# Altium PCB MotherBoard.PcbDoc (part 6 of 10)
Units mm, origin at the board's own origin, x right, y up, seen from the top; angles counter-clockwise.
Board outline 200 x 200 mm, 8 copper layers (Top Layer, Ground, Signal Layer 1, Power, Power 2, Signal Layer 2, Ground 2, Bottom Layer), stack 1.494 mm thick; 819 components, 704 nets, 3400 pads, 2339 vias.
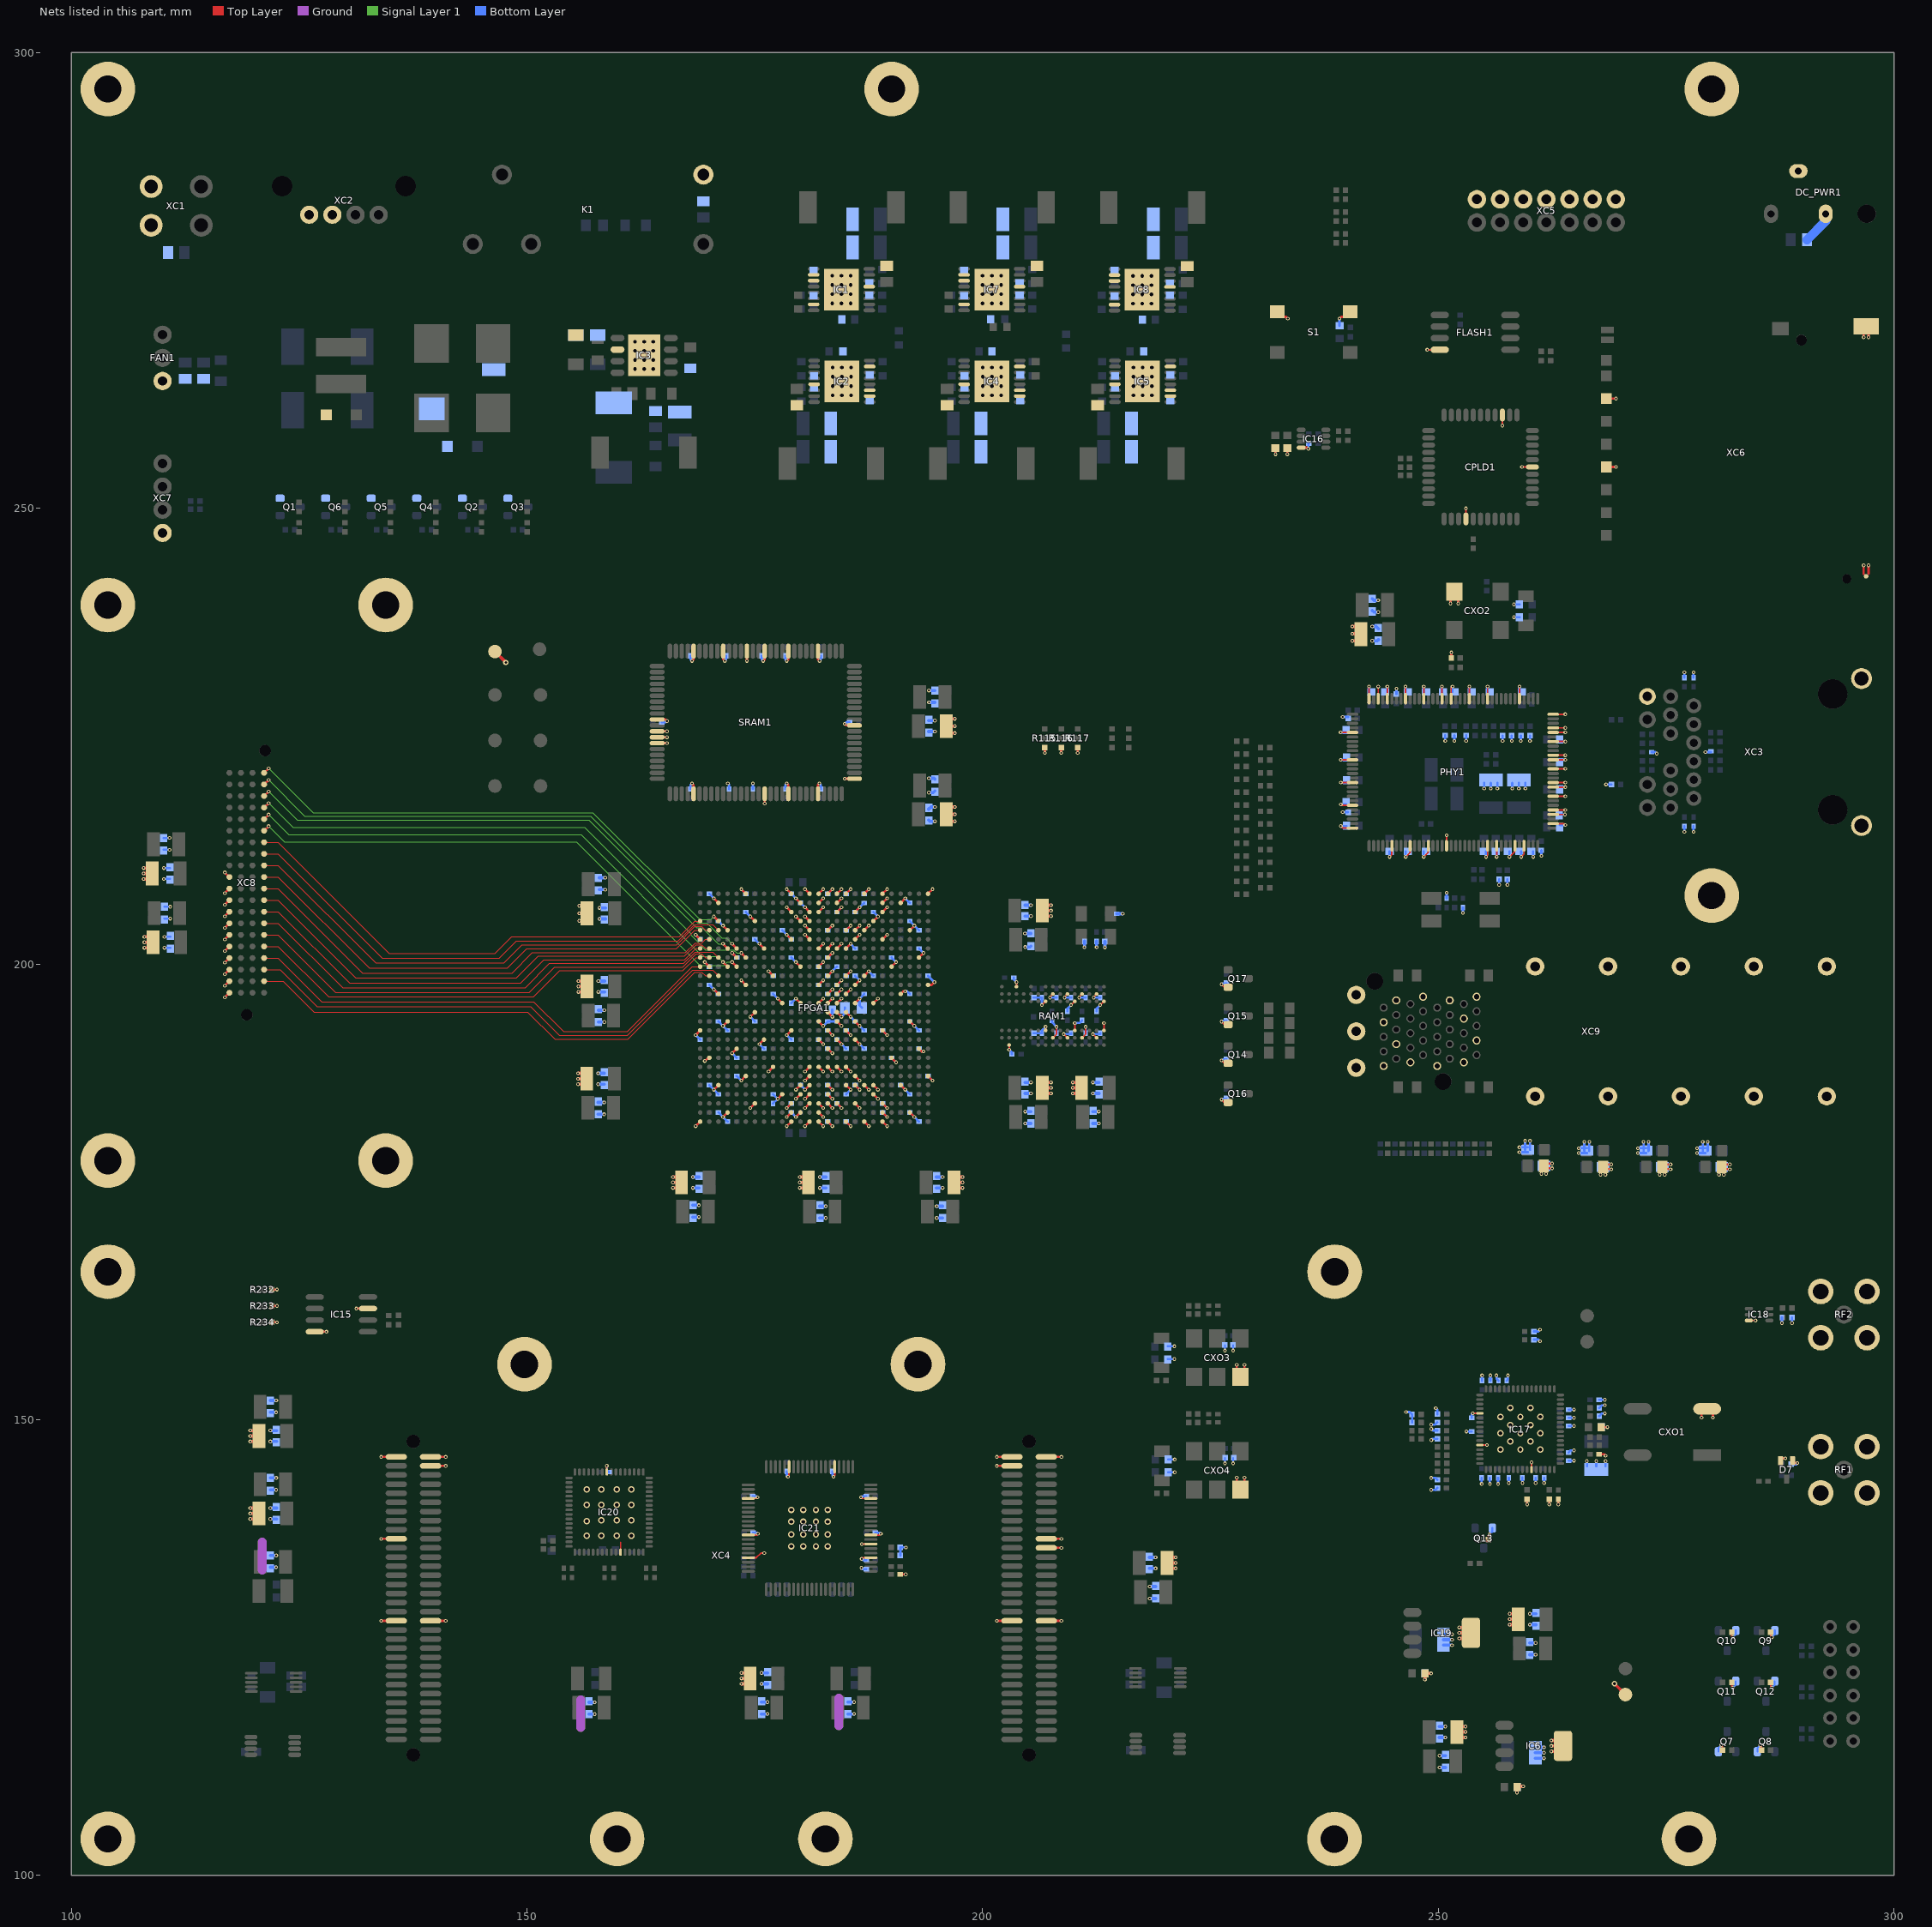
[diagram p12: the nets of this part, all layers, seen from the top]

## Via types
v1: diameter 0.4, hole 0.2, Top Layer to Bottom Layer, tented both sides, 1921 vias
v2: diameter 0.6, hole 0.3, Top Layer to Bottom Layer, tented both sides, 229 vias
v3: diameter 0.7, hole 0.4, Top Layer to Bottom Layer, 128 vias
v4: diameter 0.5, hole 0.2, Top Layer to Bottom Layer, tented both sides, 60 vias
v5: diameter 0.7, hole 0.4, Top Layer to Bottom Layer, tented both sides, 1 vias

## Nets (pads, with @x,y where several pads share a name; then routed paths per layer and width w, separated by ;. In a path a pad name is that pad's centre, name@x,y a point inside that pad or via, vN(x,y) a via of type N, cw(c..) or ccw(c..) an arc to the next point about the centre after c; other vN are vias at no path point) (continued)
GND: C1.1 C2.2 C3.2 C4.2 C5.2 C6.2 C7.2 C8.2 C9.1 C10.2 C11.2 C12.2 C13.2 C14.2 C15.1 C16.1 C17.1 C18.2 C19.2 C20.2 C21.2 C22.2 C23.2 C24.1 C25.2 C26.2 C27.2 C28.2 C29.1 C31.2 C32.2 C33.2 C34.2 C35.1 C36.1 C37.1 C38.1 C39.1 C40.2 C41.2 C42.2 C43.2 C44.2 C45.2 C46.2 C47.2 C48.1 C49.1 C50.2 C51.2 C52.2 C53.2 C54.2 C55.2 C56.2 C57.2 C58.2 C59.2 C60.2 C61.1 C62.1 C63.2 C64.1 C65.2 C66.2 C67.1 C68.2 C69.2 C70.1 C71.1 C72.2 C73.2 C74.2 C75.2 C76.1 C77.2 C78.2 C79.2 C80.2 C81.2 C82.2 C83.2 C84.2 C85.1 C86.1 C87.1 C88.2 C89.2 C90.2 C91.2 C92.1 C93.2 C94.1 C95.2 C96.2 C97.2 C98.2 C99.1 C100.2 C101.2 C102.2 C103.2 C104.2 C105.1 C106.1 C107.1 C108.1 C109.1 C110.2 C111.1 C112.1 C113.2 C114.2 C115.1 C116.1 C117.1 C118.1 C119.1 C120.1 C121.1 C122.1 C123.1 C124.1 C125.1 C126.2 C127.2 C128.1 C129.2 C130.1 C131.1 C132.1 C133.1 C134.1 C135.1 C136.2 C137.1 C138.1 C139.1 C140.1 C141.1 C142.1 C143.1 C144.2 C145.1 C146.1 C147.1 C148.2 C149.2 C150.2 C151.2 C152.1 C153.1 C154.2 C155.2 C156.2 C157.2 C158.2 C159.2 C160.2 C161.2 C162.2 C163.2 C165.2 C166.2 C167.2 C168.2 C169.2 C170.1 C171.2 C172.1 C173.1 C174.2 C175.1 C176.1 C177.1 C178.2 C179.2 C180.2 C181.2 C182.2 C184.2 C186.2 C188.2 C189.1 C190.1 C191.2 C192.2 C193.2 C194.2 C195.2 C196.1 C197.2 C198.2 C199.1 C200.2 C201.2 C202.1 C203.2 C204.2 C205.2 C206.2 C207.2 C208.2 C209.2 C210.2 C211.2 C212.2 C213.2 C214.2 C215.2 C216.2 C217.2 C218.2 C219.2 C220.2 C221.2 C222.2 C223.2 C224.2 C225.2 C226.2 C227.2 C228.2 C229.2 C230.2 C231.2 C240.2 C241.2 C242.2 C243.2 C244.2 C245.2 C246.2 C247.2 C248.2 C249.2 C250.2 C251.2 C252.2 C253.2 C260.1 C261.2 C262.1 C263.1 C264.2 C265.1 C266.2 C267.1 C268.2 C269.1 C270.2 C271.1 C272.2 C273.1 C274.2 C275.1 C276.1 C277.1 C278.2 C279.1 C280.1 C281.1 C283.2 C284.2 C285.2 C286.2 C287.2 C290.2 C295.1 C296.2 C299.1 C300.2 C301.2 C302.1 C303.2 C304.1 C305.2 C306.1 C307.1 C308.1 C309.1 C310.2 C311.1 C312.2 C313.1 C314.2 C315.2 C316.2 C317.2 C318.2 C319.2 C333.1 C342.1 C343.2 C344.2 C345.2 C346.2 C347.1 C348.1 C349.1 C350.1 C351.1 C352.1 C353.1 C354.1 C355.1 C356.1 C357.1 C358.1 C359.1 C360.2 C361.2 C362.2 C363.2 C364.2 C365.2 C366.2 C367.2 C368.2 C369.1 C370.2 C371.1 C372.1 C373.2 C374.2 C375.2 C376.2 C377.2 C378.2 C379.1 C380.1 C381.2 C382.2 C383.2 C384.2 C385.2 C386.1 C387.1 C388.2 C389.1 C390.2 C391.2 C392.1 C393.2 C394.2 C395.2 C396.2 C397.1 C398.2 C399.2 C400.1 C401.2 C402.2 C403.1 C404.1 C405.2 C406.2 C407.2 C408.2 C409.2 C410.2 C415.1 C416.1 C422.1 C423.2 C424.1 C425.2 C426.1 C427.1 C428.2 C429.2 C430.2 C431.1 C432.1 C433.1 C434.1 C435.2 C436.1 C437.1 C438.1 C439.2 CP6.1 CP10.1 CPLD1.4 CPLD1.17 CPLD1.25 CXO1.2 CXO2.2 CXO3.3 CXO4.3 D3.2 D5.2 D6.2 D7.1 D7.2 DC_PWR1.2 DC_PWR1.3 FAN1.1 FLASH1.4 FPGA1.A6 FPGA1.A8 FPGA1.A10 FPGA1.A12 FPGA1.A13 FPGA1.A14 FPGA1.A16 FPGA1.A26 FPGA1.AA6 FPGA1.AA9 FPGA1.AA14 FPGA1.AA16 FPGA1.AA26 FPGA1.AB3 FPGA1.AB8 FPGA1.AB9 FPGA1.AB10 FPGA1.AB12 FPGA1.AB14 FPGA1.AB23 FPGA1.AC7 FPGA1.AC14 FPGA1.AC15 FPGA1.AC20 FPGA1.AD6 FPGA1.AD9 FPGA1.AD11 FPGA1.AD13 FPGA1.AD14 FPGA1.AD16 FPGA1.AE4 FPGA1.AE6 FPGA1.AE11 FPGA1.AE13 FPGA1.AE15 FPGA1.AE24 FPGA1.AF1 FPGA1.AF6 FPGA1.AF8 FPGA1.AF10 FPGA1.AF11 FPGA1.AF12 FPGA1.AF13 FPGA1.AF14 FPGA1.AF16 FPGA1.AF21 FPGA1.B3 FPGA1.B6 FPGA1.B13 FPGA1.B15 FPGA1.B16 FPGA1.B23 FPGA1.C6 FPGA1.C9 FPGA1.C11 FPGA1.C12 FPGA1.C13 FPGA1.C14 FPGA1.C16 FPGA1.C20 FPGA1.D7 FPGA1.D12 FPGA1.D14 FPGA1.D15 FPGA1.D17 FPGA1.E4 FPGA1.E7 FPGA1.E8 FPGA1.E9 FPGA1.E10 FPGA1.E12 FPGA1.E14 FPGA1.E15 FPGA1.E24 FPGA1.F1 FPGA1.F9 FPGA1.F14 FPGA1.F21 FPGA1.G10 FPGA1.G11 FPGA1.G12 FPGA1.G13 FPGA1.G14 FPGA1.G18 FPGA1.H5 FPGA1.H25 FPGA1.J2 FPGA1.J12 FPGA1.J22 FPGA1.K9 FPGA1.K11 FPGA1.K13 FPGA1.K19 FPGA1.L6 FPGA1.L10 FPGA1.L12 FPGA1.L16 FPGA1.L26 FPGA1.M3 FPGA1.M9 FPGA1.M13 FPGA1.M23 FPGA1.N10 FPGA1.N20 FPGA1.P7 FPGA1.P9 FPGA1.P13 FPGA1.P15 FPGA1.P17 FPGA1.R4 FPGA1.R10 FPGA1.R11 FPGA1.R12 FPGA1.R24 FPGA1.T1 FPGA1.T9 FPGA1.T11 FPGA1.T13 FPGA1.T21 FPGA1.U8 FPGA1.U10 FPGA1.U12 FPGA1.U18 FPGA1.V5 FPGA1.V13 FPGA1.V15 FPGA1.V25 FPGA1.W2 FPGA1.W12 FPGA1.W22 FPGA1.Y10 FPGA1.Y11 FPGA1.Y12 FPGA1.Y13 FPGA1.Y19 IC1.10 IC1.15 IC1.17 IC2.10 IC2.15 IC2.17 IC3.6 IC3.9 IC4.10 IC4.15 IC4.17 IC5.10 IC5.15 IC5.17 IC6.5 IC7.10 IC7.15 IC7.17 IC8.10 IC8.15 IC8.17 IC15.4 IC15.7 IC16.4 IC17.0 IC17.37 IC17.44 IC17.59 IC18.3 IC19.5 IC20.0 IC20.11 IC20.41 IC21.0 IC21.4 IC21.7 IC21.9 IC21.17 IC21.25 IC21.35 IC21.44 IC21.52 IC21.57 J1.1 J2.1 J4.1 K1.1 L19.1 M1.0 M2.0 M3.0 M4.0 M5.0 PHY1.5 PHY1.12 PHY1.16 PHY1.20 PHY1.22 PHY1.26 PHY1.30 PHY1.34 PHY1.36 PHY1.38 PHY1.43 PHY1.49 PHY1.54 PHY1.59 PHY1.64 PHY1.70 PHY1.74 PHY1.78 PHY1.82 PHY1.91 PHY1.93 PHY1.97 PHY1.99 PHY1.104 PHY1.106 PHY1.107 PHY1.110 PHY1.112 PHY1.113 PHY1.116 PHY1.118 PHY1.119 PHY1.122 PHY1.124 PHY1.125 PHY1.128 Q1.2 Q2.2 Q3.2 Q4.2 Q5.2 Q6.2 Q7.2 Q8.2 Q9.2 Q10.2 Q11.2 Q12.2 Q13.2 Q14.2 Q15.2 Q16.2 Q17.2 R8.1 R10.2 R12.2 R23.1 R24.1 R26.2 R28.2 R43.2 R45.2 R47.2 R54.1 R55.2 R83.2 R84.2 R89.2 R90.2 R91.1 R92.2 R93.1 R94.1 R95.1 R106.2 R108.1 R109.1 R115.3 R116.3 R117.3 R129.1 R130.2 R138.2 R139.1 R152.2 R153.1 R155.1 R156.1 R158.2 R163.1 R164.1 R165.1 R166.1 R167.1 R168.1 R169.1 R170.1 R172.2 R177.2 R178.2 R211.1 R212.1 R213.1 R214.1 R217.1 R219.1 R221.2 R222.2 R223.2 R224.2 R225.2 R226.2 R227.1 R228.2 R229.2 R230.2 R231.2 R232.3 R233.3 R234.3 R238.2 RAM1.A3 RAM1.A7 RAM1.B2 RAM1.B8 RAM1.D2 RAM1.D8 RAM1.E3 RAM1.E7 RAM1.F2 RAM1.F8 RAM1.H2 RAM1.H8 RAM1.J3 RAM1.J7 RAM1.N1 RAM1.P9 RF1.0 RF2.0 S1.2 SRAM1.5 SRAM1.17 SRAM1.21 SRAM1.26 SRAM1.31 SRAM1.40 SRAM1.55 SRAM1.60 SRAM1.64 SRAM1.67 SRAM1.71 SRAM1.76 SRAM1.90 SRAM1.92 SRAM1.93 SRAM1.94 XC1.1 XC2.3 XC2.4 XC3.0@296.434,215.185 XC3.0@296.434,231.314 XC3.13 XC4.0@104,104 XC4.0@104,166.23 XC4.0@149.72,156.07 XC4.0@159.88,104 XC4.0@182.74,104 XC4.0@192.9,156.07 XC4.0@238.62,166.23 XC4.0@238.595,103.975 XC4.1 XC4.2 XC4.3 XC4.20 XC4.22 XC4.37 XC4.38 XC4.65 XC4.66 XC4.68 XC4.83 XC4.101 XC4.102 XC5.1 XC5.3 XC5.5 XC5.7 XC5.9 XC5.11 XC5.13 XC6.0@296.934,269.962 XC6.0@296.938,242.535 XC6.3 XC6.6 XC7.4 XC8.0@104,178.42 XC8.0@104,239.38 XC8.0@134.48,178.42 XC8.0@134.48,239.38 XC8.70 XC8.71 XC8.72 XC8.73 XC8.74 XC8.75 XC8.76 XC8.77 XC8.78 XC8.79 XC8.80 XC9.0@240.995,188.6 XC9.0@240.995,192.6 XC9.0@240.995,196.6 XC9.0@260.62,185.475 XC9.0@260.62,199.725 XC9.0@268.62,185.475 XC9.0@268.62,199.725 XC9.0@276.62,185.475 XC9.0@276.62,199.725 XC9.0@284.62,185.475 XC9.0@284.62,199.725 XC9.0@292.62,185.475 XC9.0@292.62,199.725 XC9.L1 XC9.L10 XC9.L11 XC9.L14 XC9.L17 XC9.L20 XC9.T1 XC9.T10 XC9.T11 XC9.T14 XC9.T17 XC9.T20 | length 628.4
  Top Layer w0.15: IC20.11@160.25,135.45 160.25,136.55
  Top Layer w0.18: IC20.41@158.75,144.25 v1(158.75,144.925) ; IC21.44@174.235,141.35 175.16,141.35 v1(175.285,141.475) ; IC21.57@174.275,134.865 IC21.57@174.275,134.85 175.15,134.85 175.65,135.35 v1(176.025,135.35) ; IC21.52@174.275,137.35 175.2,137.35 v1(175.325,137.475) ; v1(178.625,143.735) 178.75,143.86 IC21.35@178.75,144.785 ; v1(183.625,143.735) 183.75,143.86 IC21.25@183.75,144.785 ; v1(186.635,141.475) 186.76,141.35 IC21.17@187.685,141.35 ; v1(186.715,134.725) 186.84,134.85 IC21.4@187.765,134.85 ; v1(186.725,136.35) IC21.7@187.725,136.35 ; IC21.9@187.765,137.35 188.69,137.35 v1(188.815,137.475) ; v1(202.9,190.6) RAM1.P9@202.9,191.1 ; RAM1.N1@203.7,197.5 v1(203.7,198) ; v1(206.5,195.5) RAM1.J3@206.9,195.9 ; RAM1.J7@206.9,192.7 v1(206.9,193.1) ; v1(207.393,196.307) 207.393,196.393 RAM1.H2@207.7,196.7 ; RAM1.H8@207.7,191.9 208.1,192.3 v1(208.1,193.1) ; v1(208.9,192.3) RAM1.F8@209.3,191.9 ; v1(208.993,196.307) 208.993,196.393 RAM1.F2@209.3,196.7 ; v1(209.7,195.5) RAM1.E3@210.1,195.9 ; RAM1.E7@210.1,192.7 v1(210.1,193.5) ; v1(210.593,196.307) 210.593,196.393 RAM1.D2@210.9,196.7 ; RAM1.D8@210.9,191.9 211.3,192.3 v1(211.3,193.1) ; v1(212.1,192.3) RAM1.B8@212.5,191.9 ; v1(212.193,196.307) 212.193,196.398 212.19,196.4 212.495,196.705 RAM1.B2@212.5,196.7 ; v1(212.9,195.5) RAM1.A3@213.3,195.9 ; RAM1.A7@213.3,192.7 v1(213.3,193.5) ; v1(226.195,185.117) 226.512,184.8 Q16.2@226.925,184.8 ; v1(226.195,189.417) 226.512,189.1 Q14.2@226.925,189.1 ; v1(226.195,193.667) 226.512,193.35 Q15.2@226.925,193.35 ; v1(226.195,197.767) 226.512,197.45 Q17.2@226.925,197.45 ; C260.1@233.425,256.625 C260.1@233.45,256.65 ; v1(239.27,225.4) PHY1.43@240.58,225.4 ; v1(239.275,222.4) PHY1.49@240.58,222.4 ; v1(239.3,215.125) 239.525,214.9 PHY1.64@240.58,214.9 ; v1(239.3,217.5) 239.4,217.4 PHY1.59@240.58,217.4 ; v1(239.3,219.9) PHY1.54@240.58,219.9 ; PHY1.38@242.4,229.1 v1(242.4,230.45) ; PHY1.36@243.4,229.1 v1@243.4,230.425 ; PHY1.34@244.4,229.1 v1@244.4,230.425 ; v1(244.65,211.75) 244.9,212 PHY1.70@244.9,212.971 ; PHY1.30@246.4,229.1 v1(246.4,230.45) ; v1(246.425,211.75) 246.9,212.225 PHY1.74@246.9,212.971 ; v1(248.4,211.75) 248.9,212.25 PHY1.78@248.9,212.971 ; PHY1.26@248.4,229.1 v1(248.4,230.45) ; v1(248.775,267.39) FLASH1.4@250.15,267.39 ; PHY1.22@250.4,229.1 v1(250.4,230.45) ; PHY1.82@250.9,212.971 v1(250.9,214.125) ; PHY1.20@251.4,229.1 251.4,230.3 v1(251.55,230.45) ; CPLD1.4@253.025,248.825 v1(253.025,249.979) ; PHY1.16@253.4,229.1 v1(253.4,230.45) ; v1(253.775,150.7) IC17.37@254.55,150.7 ; IC17.44@254.55,147.2 v1(255.325,147.2) ; v1(255.225,211.75) 255.4,211.925 PHY1.91@255.4,212.971 ; PHY1.12@255.4,229.1 v1(255.4,230.45) ; R227.1@255.483,136.831 255.483,137.265 v1(255.608,137.39) ; v1(256.4,211.75) PHY1.93@256.4,212.971 ; v1(257.025,259.071) CPLD1.25@257.025,260.225 ; v1(257.8,211.75) 258.4,212.35 PHY1.97@258.4,212.971 ; PHY1.5@258.9,229.1 v1(258.9,230.45) ; v1(259.1,211.75) 259.4,212.05 PHY1.99@259.4,212.971 ; v1(259.171,254.525) CPLD1.17@260.325,254.525 ; IC17.59@260.225,144.525 v1(260.225,145.3) ; PHY1.104@262.6,215.4 263.775,215.4 v1(263.925,215.25) ; PHY1.106@262.6,216.4 v1(263.9,216.4) ; PHY1.107@262.6,216.9 v1(263.925,216.9) ; PHY1.110@262.6,218.4 v1(263.925,218.4) ; PHY1.112@262.6,219.4 v1(263.925,219.4) ; PHY1.113@262.6,219.9 v1(263.925,219.9) ; PHY1.116@262.6,221.4 v1(263.925,221.4) ; PHY1.118@262.6,222.4 v1(263.925,222.4) ; PHY1.119@262.6,222.9 v1(263.925,222.9) ; PHY1.122@262.6,224.4 v1(263.925,224.4) ; PHY1.124@262.6,225.4 v1(263.925,225.4) ; PHY1.125@262.6,225.9 v1(263.925,225.9) ; PHY1.128@262.6,227.4 v1(263.925,227.4) ; v1(281.05,114.3) 281.175,114.175 R130.2@281.175,113.74 ; R225.2@282.191,121.13 282.191,120.695 v1(282.316,120.57) ; R224.2@282.191,126.675 282.191,126.24 v1(282.316,126.115) ; IC18.3@284.075,160.875 v1(284.8,160.875) ; v1(285.325,114.3) 285.45,114.175 R222.2@285.45,113.74 ; R226.2@286.466,121.13 286.466,120.695 v1(286.591,120.57) ; R223.2@286.466,126.675 286.466,126.24 v1(286.591,126.115)
  Top Layer w0.25: v1(116.835,196.335) XC8.80@117.335,196.835 ; v1(116.835,197.605) XC8.79@117.335,198.105 ; v1(116.835,198.875) XC8.78@117.335,199.375 ; v1(116.835,200.145) XC8.77@117.335,200.645 ; v1(116.835,201.415) XC8.76@117.335,201.915 ; v1(116.835,202.685) XC8.75@117.335,203.185 ; v1(116.835,203.955) XC8.74@117.335,204.455 ; v1(116.835,205.225) XC8.73@117.335,205.725 ; v1(116.835,206.495) XC8.72@117.335,206.995 ; v1(116.835,207.765) XC8.71@117.335,208.265 ; v1(116.835,210.035) XC8.70@117.335,209.535 ; R234.3@121.991,160.675 v1(122.558,160.675) ; R233.3@121.991,162.475 v1(122.558,162.475) ; R232.3@121.991,164.275 v1(122.558,164.275) ; IC15.4@126.704,159.645 v1(127.98,159.645) ; v1(131.27,162.185) IC15.7@132.546,162.185 ; v1(133.982,127.927) XC4.101@135.648,127.927 ; v1(133.982,136.918) XC4.83@135.648,136.918 ; v1(133.982,145.91) XC4.65@135.648,145.91 ; XC4.102@139.408,127.927 v1(141.074,127.927) ; XC4.68@139.408,144.919 v1(141.074,144.919) ; XC4.66@139.408,145.91 v1(141.074,145.91) ; SRAM1.94@164.275,224.225 v1(165.35,224.225) ; SRAM1.93@164.275,224.875 v1(165.35,224.875) ; SRAM1.92@164.275,225.525 v1(165.35,225.525) ; SRAM1.90@164.275,226.825 165.175,226.825 v1(165.35,226.65) ; v1(168.1,219.8) 168.275,219.625 SRAM1.5@168.275,218.675 ; v1(168.1,233.25) 168.275,233.425 SRAM1.76@168.275,234.325 ; v1(168.5,182.2) FPGA1.A26@169,182.7 ; v1(168.5,192.2) FPGA1.L26@169,192.7 ; v1(168.5,203.2) FPGA1.AA26@169,202.7 ; v1(169.5,189.35) 169.55,189.35 169.9,189.7 FPGA1.H25@170,189.7 ; v1(169.5,200.2) FPGA1.V25@170,199.7 ; v1(170.5,186.2) FPGA1.E24@171,186.7 ; v1(170.5,197.2) FPGA1.R24@171,196.7 ; v1(170.5,207.2) FPGA1.AE24@171,206.7 ; v1(171.5,183.2) FPGA1.B23@172,183.7 ; v1(171.5,193.2) FPGA1.M23@172,193.7 ; v1(171.5,204.2) FPGA1.AB23@172,203.7 ; SRAM1.71@171.525,234.325 171.525,233.425 v1(171.7,233.25) ; v1(172.5,190.2) FPGA1.J22@173,190.7 ; v1(172.5,201.2) FPGA1.W22@173,200.7 ; v1(173.5,187.2) FPGA1.F21@174,187.7 ; v1(173.5,198.2) FPGA1.T21@174,197.7 ; v1(173.5,208.2) FPGA1.AF21@174,207.7 ; v1(174.125,233.25) SRAM1.67@174.125,234.325 ; v1(174.5,184.2) FPGA1.C20@175,184.7 ; v1(174.5,194.2) FPGA1.N20@175,194.7 ; v1(174.5,205.2) FPGA1.AC20@175,204.7 ; v1(175.5,191.2) FPGA1.K19@176,191.7 ; v1(175.5,202.2) FPGA1.Y19@176,201.7 ; v1(175.9,233.25) 176.075,233.425 SRAM1.64@176.075,234.325 ; v1(176.075,217.6) SRAM1.17@176.075,218.675 ; v1(176.5,188.2) FPGA1.G18@177,188.7 ; v1(176.5,199.2) FPGA1.U18@177,198.7 ; v1(177.5,185.2) FPGA1.D17@178,185.7 ; v1(177.5,196.2) FPGA1.P17@178,195.7 ; v1(178.5,182.2) FPGA1.A16@179,182.7 ; v1(178.5,183.2) FPGA1.B16@179,183.7 ; v1(178.5,184.2) FPGA1.C16@179,184.7 ; v1(178.5,192.2) FPGA1.L16@179,192.7 ; v1(178.5,203.2) FPGA1.AA16@179,202.7 ; v1(178.5,206.2) FPGA1.AD16@179,205.7 ; v1(178.5,208.2) FPGA1.AF16@179,207.7 ; v1(178.5,219.8) 178.675,219.625 SRAM1.21@178.675,218.675 ; v1(178.5,233.25) 178.675,233.425 SRAM1.60@178.675,234.325 ; v1(179.5,183.2) FPGA1.B15@180,183.7 ; v1(179.5,185.2) FPGA1.D15@180,185.7 ; v1(179.5,186.2) FPGA1.E15@180,186.7 ; v1(179.5,196.2) FPGA1.P15@180,195.7 ; v1(179.5,200.2) FPGA1.V15@180,199.7 ; v1(179.5,205.2) FPGA1.AC15@180,204.7 ; v1(179.5,207.2) FPGA1.AE15@180,206.7 ; v1(180.5,182.2) FPGA1.A14@181,182.7 ; v1(180.5,184.2) FPGA1.C14@181,184.7 ; v1(180.5,185.2) FPGA1.D14@181,185.7 ; v1(180.5,186.2) FPGA1.E14@181,186.7 ; v1(180.5,187.2) FPGA1.F14@181,187.7 ; v1(180.5,188.2) FPGA1.G14@181,188.7 ; v1(180.5,203.2) FPGA1.AA14@181,202.7 ; v1(180.5,204.2) FPGA1.AB14@181,203.7 ; v1(180.5,205.2) FPGA1.AC14@181,204.7 ; v1(180.5,206.2) FPGA1.AD14@181,205.7 ; v1(180.5,208.2) FPGA1.AF14@181,207.7 ; SRAM1.26@181.925,218.675 181.925,219.65 v1(182.075,219.8) ; SRAM1.55@181.925,234.325 181.925,233.425 v1(182.1,233.25) ; FPGA1.A13@182,182.7 v1(182.5,182.2) ; FPGA1.B13@182,183.7 v1(182.5,183.2) ; FPGA1.C13@182,184.7 v1(182.5,184.2) ; FPGA1.G13@182,188.7 v1(182.5,188.2) ; FPGA1.K13@182,191.7 v1(182.5,191.2) ; FPGA1.M13@182,193.7 v1(182.5,193.2) ; FPGA1.P13@182,195.7 v1(182.5,196.2) ; FPGA1.T13@182,197.7 v1(182.5,198.2) ; FPGA1.V13@182,199.7 v1(182.5,200.2) ; FPGA1.Y13@182,201.7 v1(182.5,202.2) ; FPGA1.AD13@182,205.7 v1(182.5,206.2) ; FPGA1.AE13@182,206.7 v1(182.5,207.2) ; FPGA1.AF13@182,207.7 v1(182.5,208.2) ; FPGA1.A12@183,182.7 v1(183.5,182.2) ; FPGA1.C12@183,184.7 v1(183.5,184.2) ; FPGA1.D12@183,185.7 v1(183.5,185.2) ; FPGA1.E12@183,186.7 v1(183.5,186.2) ; FPGA1.G12@183,188.7 v1(183.5,188.2) ; FPGA1.J12@183,190.7 v1(183.5,190.2) ; FPGA1.L12@183,192.7 v1(183.5,192.2) ; FPGA1.R12@183,196.7 v1(183.5,197.2) ; FPGA1.U12@183,198.7 v1(183.5,199.2) ; FPGA1.W12@183,200.7 v1(183.5,201.2) ; FPGA1.Y12@183,201.7 v1(183.5,202.2) ; FPGA1.AB12@183,203.7 v1(183.5,204.2) ; FPGA1.AF12@183,207.7 v1(183.5,208.2) ; FPGA1.C11@184,184.7 v1(184.5,184.2) ; FPGA1.G11@184,188.7 v1(184.5,188.2) ; FPGA1.K11@184,191.7 v1(184.5,191.2) ; FPGA1.R11@184,196.7 v1(184.5,197.2) ; FPGA1.T11@184,197.7 v1(184.5,198.2) ; FPGA1.Y11@184,201.7 v1(184.5,202.2) ; FPGA1.AD11@184,205.7 v1(184.5,206.2) ; FPGA1.AE11@184,206.7 v1(184.5,207.2) ; FPGA1.AF11@184,207.7 v1(184.5,208.2) ; v1(184.85,220.325) SRAM1.31@185.925,220.325 ; v1(184.85,226.35) 185.025,226.175 SRAM1.40@185.925,226.175 ; FPGA1.A10@185,182.7 v1(185.5,182.2) ; FPGA1.E10@185,186.7 v1(185.5,186.2) ; FPGA1.G10@185,188.7 v1(185.5,188.2) ; FPGA1.L10@185,192.7 v1(185.5,192.2) ; FPGA1.N10@185,194.7 v1(185.5,194.2) ; FPGA1.R10@185,196.7 v1(185.5,197.2) ; FPGA1.U10@185,198.7 v1(185.5,199.2) ; FPGA1.Y10@185,201.7 v1(185.5,202.2) ; FPGA1.AB10@185,203.7 v1(185.5,204.2) ; FPGA1.AF10@185,207.7 v1(185.5,208.2) ; FPGA1.C9@186,184.7 v1(186.5,184.2) ; FPGA1.E9@186,186.7 v1(186.5,186.2) ; FPGA1.F9@186,187.7 v1(186.5,187.2) ; FPGA1.K9@186,191.7 v1(186.5,191.2) ; FPGA1.M9@186,193.7 v1(186.5,193.2) ; FPGA1.P9@186,195.7 v1(186.5,196.2) ; FPGA1.T9@186,197.7 v1(186.5,198.2) ; FPGA1.AA9@186,202.7 v1(186.5,203.2) ; FPGA1.AB9@186,203.7 v1(186.5,204.2) ; FPGA1.AD9@186,205.7 v1(186.5,206.2) ; FPGA1.A8@187,182.7 v1(187.5,182.2) ; FPGA1.E8@187,186.7 v1(187.5,186.2) ; FPGA1.U8@187,198.7 v1(187.5,199.2) ; FPGA1.AB8@187,203.7 v1(187.5,204.2) ; FPGA1.AF8@187,207.7 v1(187.5,208.2) ; FPGA1.D7@188,185.7 v1(188.5,185.2) ; FPGA1.E7@188,186.7 v1(188.5,186.2) ; FPGA1.P7@188,195.7 v1(188.5,196.2) ; FPGA1.AC7@188,204.7 v1(188.5,205.2) ; FPGA1.A6@189,182.7 v1(189.5,182.2) ; FPGA1.B6@189,183.7 v1(189.5,183.2) ; FPGA1.C6@189,184.7 v1(189.5,184.2) ; FPGA1.L6@189,192.7 v1(189.5,192.2) ; FPGA1.AA6@189,202.7 v1(189.5,203.2) ; FPGA1.AD6@189,205.7 v1(189.5,206.2) ; FPGA1.AE6@189,206.7 v1(189.5,207.2) ; FPGA1.AF6@189,207.7 v1(189.5,208.2) ; FPGA1.H5@190,189.7 v1(190.5,189.2) ; FPGA1.V5@190,199.7 v1(190.5,200.2) ; C342.1@190.95,133.025 v1(191.55,133.025) ; FPGA1.E4@191,186.7 v1(191.5,186.2) ; FPGA1.R4@191,196.7 191.3,197 v1(191.5,197) ; FPGA1.AE4@191,206.7 v1(191.5,207.2) ; FPGA1.B3@192,183.7 v1(192.5,183.2) ; FPGA1.M3@192,193.7 v1(192.5,193.2) ; FPGA1.AB3@192,203.7 v1(192.5,204.2) ; FPGA1.J2@193,190.7 193.3,190.4 v1(193.5,190.4) ; FPGA1.W2@193,200.7 v1(193.5,201.2) ; FPGA1.F1@194,187.7 v1(194.5,187.2) ; FPGA1.T1@194,197.7 194.4,197.7 v1(194.7,198) ; FPGA1.AF1@194,207.7 v1(194.5,208.2) ; v1(201.546,127.927) XC4.37@203.212,127.927 ; v1(201.546,144.919) XC4.3@203.212,144.919 ; v1(201.546,145.91) XC4.1@203.212,145.91 ; v1(206.816,223.145) R115.3@206.816,223.745 ; XC4.38@206.972,127.927 v1(208.638,127.927) ; XC4.22@206.972,135.928 v1(208.638,135.928) ; XC4.20@206.972,136.918 v1(208.638,136.918) ; XC4.2@206.972,145.91 v1(208.638,145.91) ; v1(208.616,223.145) R116.3@208.616,223.745 ; v1(210.416,223.145) R117.3@210.416,223.745 ; CXO4.3@227.875,142.74 v1(227.875,143.625) ; CXO3.3@227.875,155.115 v1(227.875,156) ; CXO4.3@228.725,142.8 v1(228.725,143.625) ; CXO3.3@228.725,155.175 v1(228.725,156) ; v1(232.125,255.925) C262.1@232.125,256.625 ; S1.2@232.325,271.575 232.9,271 233.275,271 v1(233.475,270.8) ; v1(233.425,255.925) C260.1@233.425,256.625 ; IC16.4@234.95,256.65 235.6,256.65 v1(235.725,256.525) ; v1(239.15,270.8) 239.35,271 239.75,271 S1.2@240.325,271.575 ; v1(251.325,239.55) CXO2.2@251.325,240.375 ; R238.2@251.425,233.558 v1(251.425,234.175) ; v1(252.175,239.55) CXO2.2@252.175,240.435 ; v1(259.743,140.692) R156.1@259.743,141.267 ; v1(261.299,176.97) C398.2@261.299,177.89 ; C398.2@261.561,177.571 v1(262.481,177.571) ; C398.2@261.561,178.101 v1(262.481,178.101) ; v1(261.829,176.97) C398.2@261.829,177.89 ; v1(262.168,140.692) R155.1@262.168,141.267 ; v1(263.168,140.7) C300.2@263.168,141.275 ; C299.1@267.65,146.2 268.175,146.2 v1(268.35,146.025) ; v1(267.799,176.87) C406.2@267.799,177.79 ; C302.1@267.85,149.175 v1(268.55,149.175) ; C406.2@268.061,177.471 v1(268.981,177.471) ; C406.2@268.061,178.001 v1(268.981,178.001) ; v1(268.329,176.87) C406.2@268.329,177.79 ; XC6.3@268.434,254.53 v1(269.495,254.53) ; XC6.6@268.434,262.03 v1(269.495,262.03) ; v1(274.299,176.87) C405.2@274.299,177.79 ; C405.2@274.561,177.471 v1(275.481,177.471) ; C405.2@274.561,178.001 v1(275.481,178.001) ; v1(274.829,176.87) C405.2@274.829,177.79 ; v1(278.875,150.225) CXO1.2@278.875,150.8 ; v1(280.125,150.225) CXO1.2@280.125,150.8 ; v1(280.799,176.87) C399.2@280.799,177.79 ; C399.2@281.061,177.471 v1(281.981,177.471) ; C399.2@281.061,178.001 v1(281.981,178.001) ; v1(281.329,176.87) C399.2@281.329,177.79 ; D7.2@287.54,145.491 287.799,145.75 v1(288.075,145.75) ; D7.1@288.86,145.491 289.12,145.231 v1(289.396,145.231) ; 296.671,242.811 v1(296.671,243.731) ; v1(296.671,268.766) XC6.0@296.671,269.686 ; 297.201,242.811 v1(297.201,243.731) ; v1(297.201,268.766) XC6.0@297.201,269.686